# Altium PCB OECU_BASE.PcbDoc (part 6 of 6)
Units mil, origin at the board's own origin, x right, y up, seen from the top; angles counter-clockwise.
Board outline 3937.01 x 3937.01 mil, 6 copper layers (SIG1, GND1, SIG2, POWER, GND2, SIG3), stack 60.566 mil thick; 357 components, 364 nets, 1500 pads, 1127 vias.
Unrouted connection lines stored in the file: 1.
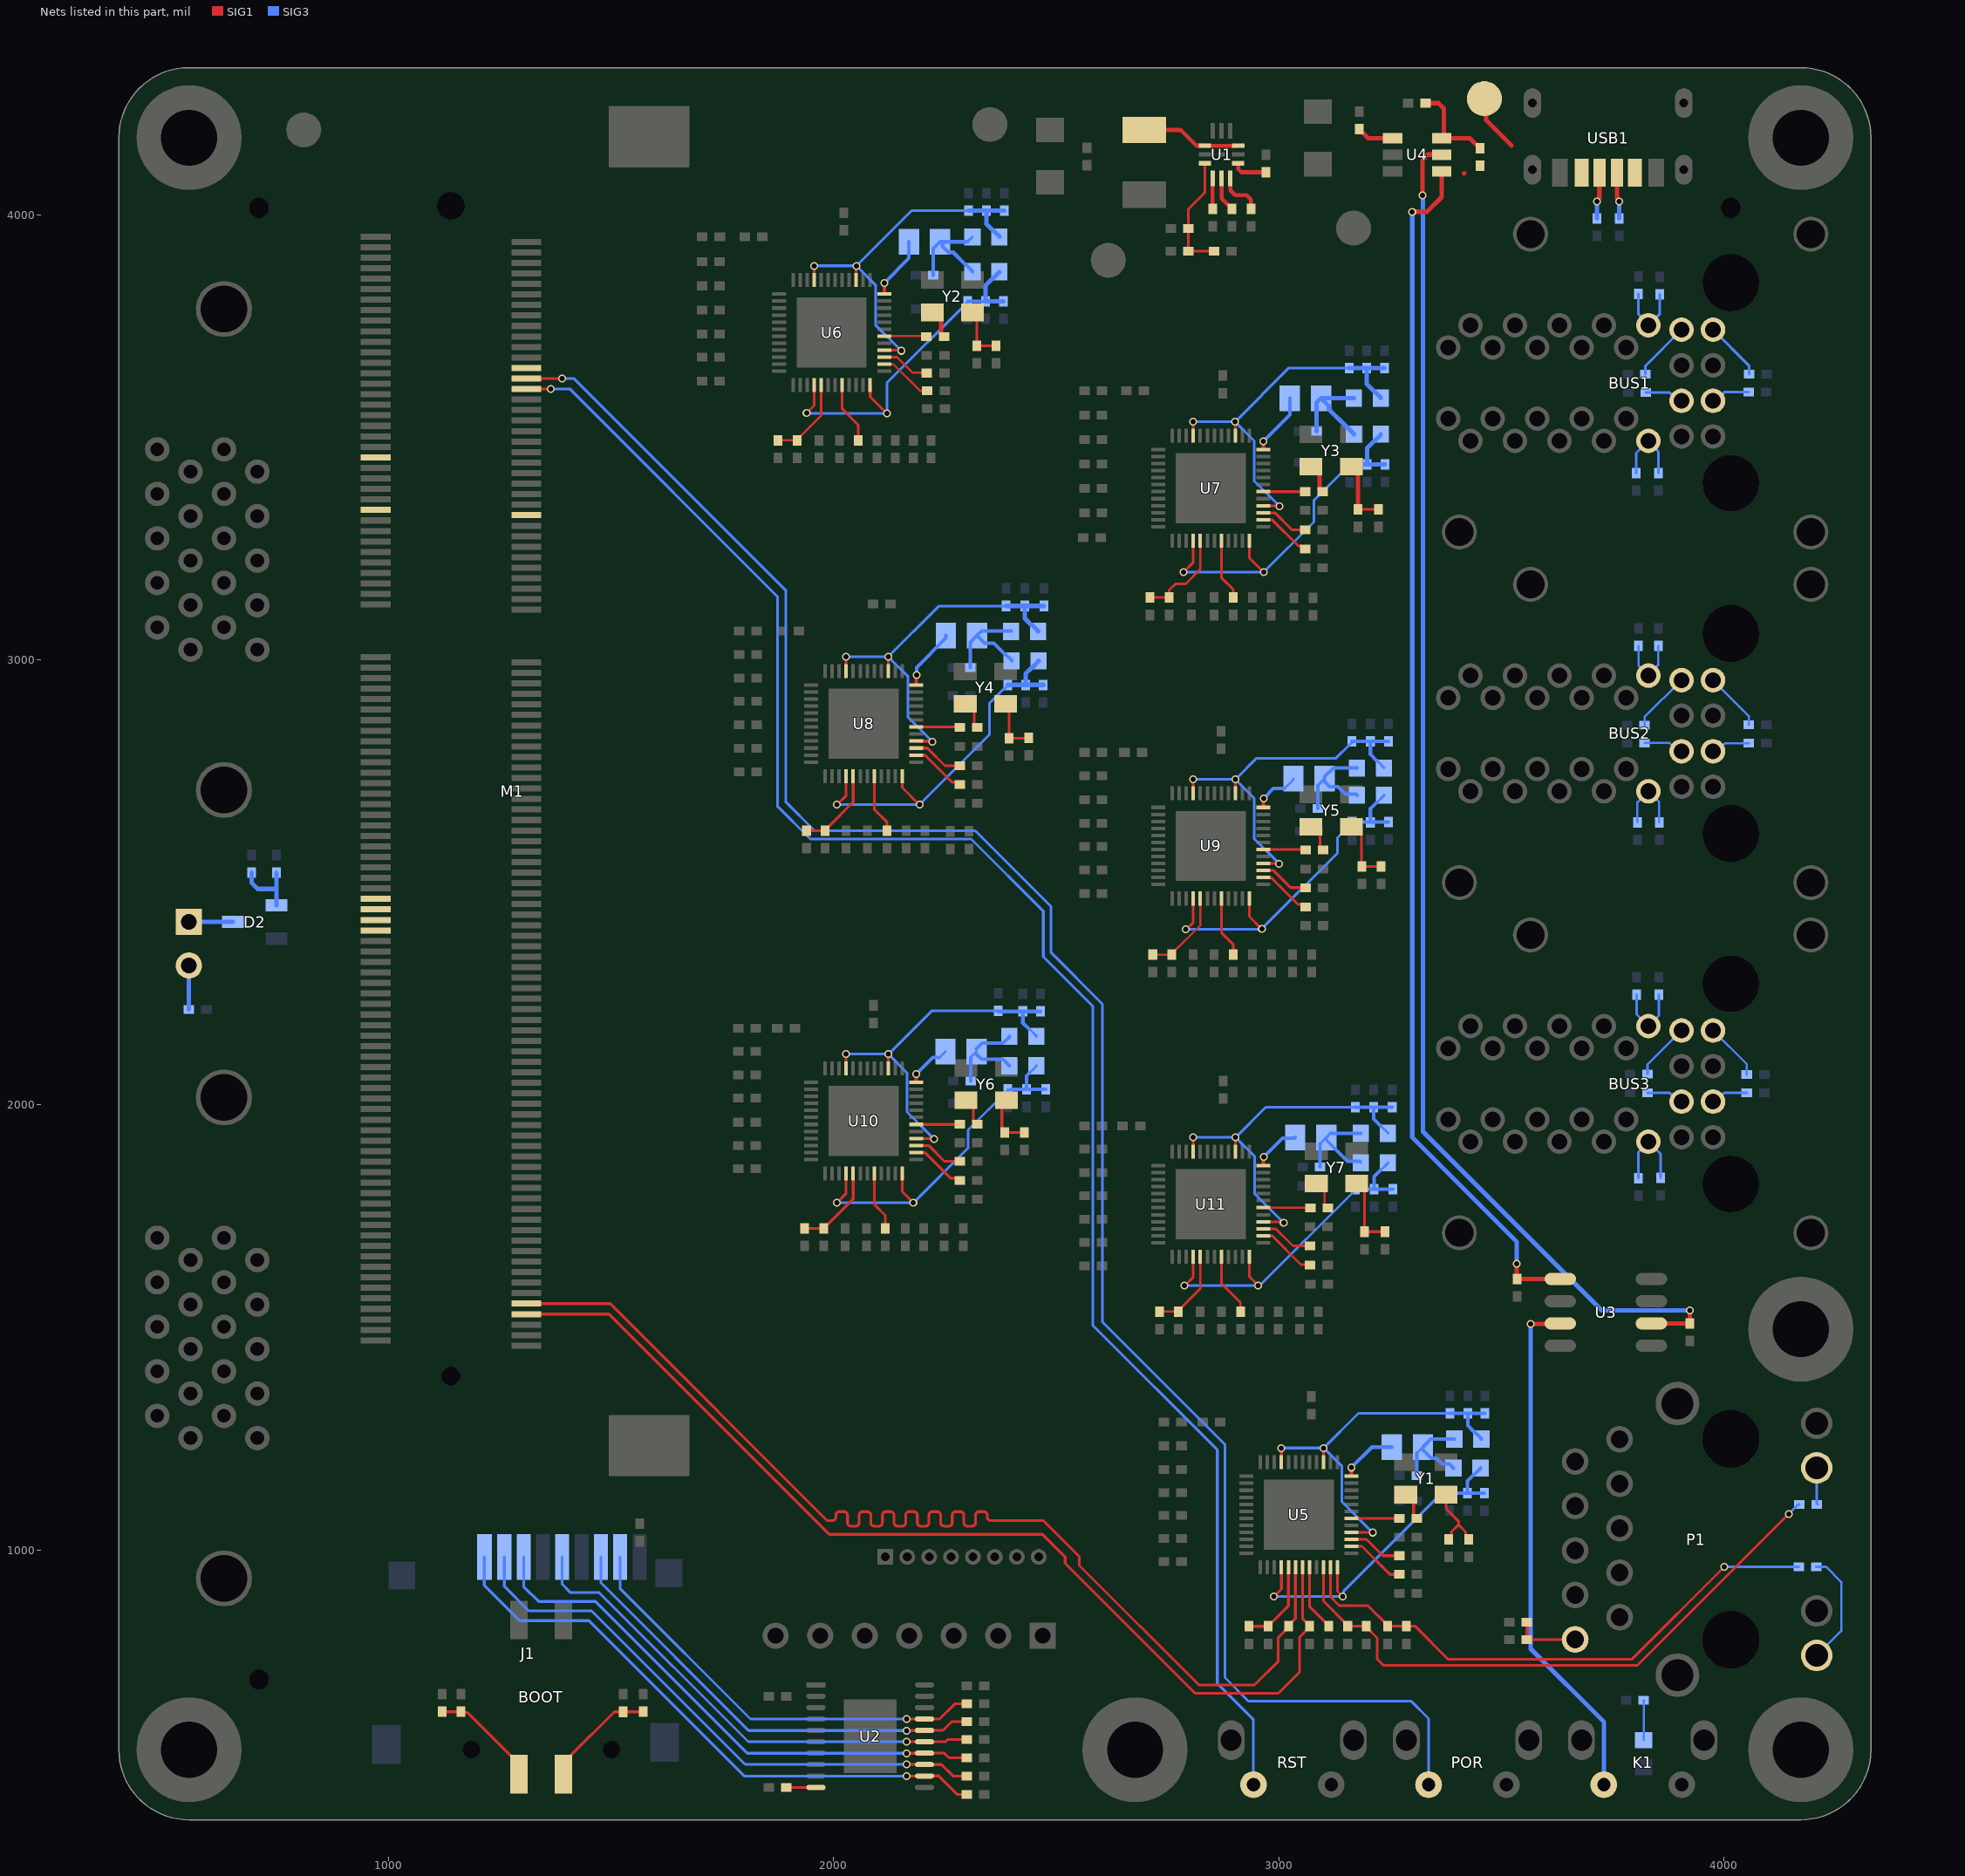
[diagram p10: the nets of this part, all layers, seen from the top]

## Via types
v1: diameter 17.72, hole 11.81, SIG1 to SIG3, tented both sides, 1064 vias
v2: diameter 23.62, hole 11.81, SIG1 to SIG3, tented both sides, 63 vias

## Nets (pads, with @x,y where several pads share a name; then routed paths per layer and width w, separated by ;. In a path a pad name is that pad's centre, name@x,y a point inside that pad or via, vN(x,y) a via of type N, cw(c..) or ccw(c..) an arc to the next point about the centre after c; other vN are vias at no path point) (continued)
MIO52: M1.196 R29.1 U5.30 | length 2641.2
  SIG1 w6.16: M1.196@1309.29,1553.46 1497.89,1553.46 1985.35,1066 1993.85,1066 1996.93,1066 ccw(c1996.93,1073.85) 2004.78,1073.85 2004.78,1078.15 cw(c2012.63,1078.15) 2012.63,1086 2023.09,1086 cw(c2023.09,1078.15) 2030.94,1078.15 2030.94,1061.33 ccw(c2038.79,1061.33) 2038.79,1053.48 2049.25,1053.48 ccw(c2049.25,1061.33) 2057.1,1061.33 2057.1,1078.15 cw(c2064.95,1078.15) 2064.95,1086 2075.41,1086 cw(c2075.41,1078.15) 2083.26,1078.15 2083.26,1061.33 ccw(c2091.11,1061.33) 2091.11,1053.48 2101.57,1053.48 ccw(c2101.57,1061.33) 2109.42,1061.33 2109.42,1078.15 cw(c2117.27,1078.15) 2117.27,1086 2127.73,1086 cw(c2127.73,1078.15) 2135.58,1078.15 2135.58,1061.33 ccw(c2143.43,1061.33) 2143.43,1053.48 2153.89,1053.48 ccw(c2153.89,1061.33) 2161.74,1061.33 2161.74,1078.15 cw(c2169.59,1078.15) 2169.59,1086 2180.05,1086 cw(c2180.05,1078.15) 2187.9,1078.15 2187.9,1061.33 ccw(c2195.75,1061.33) 2195.75,1053.48 2206.21,1053.48 ccw(c2206.21,1061.33) 2214.06,1061.33 2214.06,1078.15 cw(c2221.91,1078.15) 2221.91,1086 2232.37,1086 cw(c2232.37,1078.15) 2240.22,1078.15 2240.22,1061.33 ccw(c2248.07,1061.33) 2248.07,1053.48 2258.53,1053.48 ccw(c2258.53,1061.33) 2266.38,1061.33 2266.38,1078.15 cw(c2274.23,1078.15) 2274.23,1086 2284.69,1086 cw(c2284.69,1078.15) 2292.54,1078.15 2292.54,1061.33 ccw(c2300.39,1061.33) 2300.39,1053.48 2310.85,1053.48 ccw(c2310.85,1061.33) 2318.7,1061.33 2318.7,1078.15 cw(c2326.55,1078.15) 2326.55,1086 2337.01,1086 cw(c2337.01,1078.15) 2344.86,1078.15 2344.86,1073.85 ccw(c2352.71,1073.85) 2352.71,1066 2449.4,1066 2471,1066 2552,985 2552,965 2820.52,696.48 2945.48,696.48 2999,750 2999,803.4 3022,826.4 R29.1@3022,828.37 3022,830.34 3037.51,845.85 U5.30@3037.51,960.78
MIO53: M1.198 R30.1 U5.31 | length 2369
  SIG1 w6.16: M1.198@1309.29,1529.84 1495.38,1529.84 1990.22,1035 2469,1035 2520,984 2520,970 2812,678 2999,678 3046.62,725.62 3046.62,804.02 3069,826.4 R30.1@3069,828.37 3069,830.34 3053.26,846.08 U5.31@3053.26,960.78
NetBOOT_1: BOOT.1 R1.1 R4.1 | length 244.3
  SIG1 w6.16: R1.1@1120,636.32 R4.1@1162,636.32 1163.79,634.53 1177.47,634.53 BOOT.1@1275.71,536.29 ; BOOT.1@1275.75,536.29 1292.35,519.68 BOOT.1@1292.35,496.06
NetBOOT_2: BOOT.2 R2.1 R3.1 | length 252.6
  SIG1 w6.16: BOOT.2@1392.35,496.06 1408.96,512.67 1408.96,537.96 1507.32,636.32 R3.1@1572,636.32
NetBUS1_D1: BUS1.D1 C121.2 C122.2 | length 165.2
  SIG3 w6: C122.2@3803.32,3419.91 3803.32,3464.73 BUS1.D1@3830.71,3492.13 3830.71,3490.61 3853.32,3468 C121.2@3853.32,3419.91
NetBUS1_D11: BUS1.D11 R188.1 | length 133.1
  SIG3 w6: BUS1.D11@3975.98,3741.93 4056.63,3661.28 R188.1@4056.63,3642.22
NetBUS1_D13: BUS1.D13 R189.2 | length 88
  SIG3 w6: BUS1.D13@3975.98,3582.09 3982.45,3582.09 4002.58,3602.22 R189.2@4055.63,3602.22
NetBUS1_U1: BUS1.U1 C119.2 C120.2 | length 159
  SIG3 w6: C120.2@3808.31,3822.02 3808.31,3776.31 3830.71,3753.91 BUS1.U1@3830.71,3751.97 3856.31,3777.57 C119.2@3856.31,3821.02
NetBUS1_U11: BUS1.U11 R186.2 | length 133.3
  SIG3 w6: R186.2@3824,3642.22 3824,3660.81 BUS1.U11@3905.12,3741.93
NetBUS1_U13: BUS1.U13 R187.2 | length 88
  SIG3 w6: R187.2@3825,3601.22 3877.52,3601.22 3896.65,3582.09 BUS1.U13@3905.12,3582.09
NetBUS2_D1: BUS2.D1 C125.2 C126.2 | length 159.7
  SIG3 w5: C125.2@3806,2635 3806,2680.02 BUS2.D1@3830.71,2704.72 3855,2680.43 C126.2@3855,2635
NetBUS2_D11: BUS2.D11 R195.1 | length 133.8
  SIG3 w5: BUS2.D11@3975.98,2954.53 4056.32,2874.2 R195.1@4056.32,2854
NetBUS2_D13: BUS2.D13 R196.2 | length 87.9
  SIG3 w5: BUS2.D13@3975.98,2794.69 3984.79,2794.69 4003.11,2813 R196.2@4056.31,2813
NetBUS2_U1: BUS2.U1 C123.2 C124.2 | length 151.1
  SIG3 w5: C123.2@3808.31,3031.31 3808.31,2987.61 BUS2.U1@3830.71,2965.22 ; BUS2.U1@3830.71,2964.57 BUS2.U1@3830.71,2965.22 ; C124.2@3852.31,3031.31 3852.31,2988.4 3830.71,2966.79 BUS2.U1@3830.71,2965.22
NetBUS2_U11: BUS2.U11 R193.2 | length 135.7
  SIG3 w5: R193.2@3822,2853.22 3822,2871.41 BUS2.U11@3905.12,2954.53
NetBUS2_U13: BUS2.U13 R194.2 | length 90.8
  SIG3 w5: R194.2@3822,2813.22 3878.21,2813.22 3896.75,2794.69 BUS2.U13@3905.12,2794.69
NetBUS3_D1: BUS3.D1 C129.2 C130.2 | length 184.4
  SIG3 w6: C129.2@3808,1835 3808,1893.3 3830.71,1916.01 BUS3.D1@3830.71,1917.32 3858,1890.03 C130.2@3858,1836
NetBUS3_D11: BUS3.D11 R199.1 | length 130.2
  SIG3 w5: BUS3.D11@3975.98,2167.13 4051.63,2091.48 R199.1@4051.63,2068.22
NetBUS3_D13: BUS3.D13 R200.2 | length 83.9
  SIG3 w5: BUS3.D13@3975.98,2007.28 3981.55,2007.28 4001.49,2027.22 R200.2@4051.63,2027.22
NetBUS3_U1: BUS3.U1 C127.2 C128.2 | length 161.5
  SIG3 w6: C127.2@3804.31,2247.54 3804.31,2203.56 BUS3.U1@3830.71,2177.17 3854.31,2200.77 C128.2@3854.31,2247.54
NetBUS3_U11: BUS3.U11 R197.2 | length 129.8
  SIG3 w6: R197.2@3828.69,2069 3828.69,2090.69 BUS3.U11@3905.12,2167.13
NetBUS3_U13: BUS3.U13 R198.2 | length 84.6
  SIG3 w6: R198.2@3828.69,2027 3878.1,2027 3897.82,2007.28 BUS3.U13@3905.12,2007.28
NetC3_1: C3.1 U1.6 | length 103.6
  SIG1 w9: U1.6@2891.28,4082.35 2891.28,4054.72 2902,4044 2928,4044 2937.6,4034.4 C3.1@2937.6,4013.18
NetC4_1: C4.1 U1.4 | length 69.3
  SIG1 w9: C4.1@2851.6,4013.18 2851.6,4082.03 U1.4@2851.91,4082.35
NetC5_2: C5.2 R18.1 U4.6 | length 211.4
  SIG1 w10: C5.2@3329.69,4251 3359,4251 3371,4239 3371,4177.28 U4.6@3366.12,4172.4 3429.28,4172.4 3445.19,4156.5 3447.16,4156.5 3452,4151.65 R18.1@3452,4149.69
NetC6_1: C6.1 R20.1 R21.1 U1.3 | length 271.1
  SIG1 w6: U1.3@2834.21,4115.81 2834.21,4050.21 2796.68,4012.68 R21.1@2796.68,3969 2797,3968.68 R20.1@2797,3918 C6.1@2854.63,3918
NetC12_2: C12.2 FB1.1 Y1.4 | length 163.6
  SIG1 w6: Y1.4@3375.97,1124.13 3375.97,1092.69 3404,1064.66 3404,1056.57 ; FB1.1@3382,1023.68 3387.75,1029.43 3387.75,1040.32 3404,1056.57 ; C12.2@3427,1023.69 3420.16,1030.53 3420.16,1040.42 3404,1056.57
NetC25_2: C25.2 C26.2 P1.1 | length 181.7
  SIG1 w6: C25.2@3557.69,798 C26.2@3557.69,838 ; C26.2@3557.69,832 3557.69,798.62 P1.1@3666,798.62
NetC29_2: C29.2 FB4.1 Y2.4 | length 122.3
  SIG1 w6: Y2.4@2311.97,3780.63 2322,3770.6 C29.2@2322,3705.5 FB4.1@2365,3705.5
NetC44_2: C44.2 FB7.1 Y3.4 | length 148.6
  SIG1 w6: FB7.1@3178,3338 C44.2@3224,3338
  SIG1 w10: Y3.4@3162.97,3434.13 3163.31,3434.13 3178,3419.45 FB7.1@3178,3338
NetC59_2: C59.2 FB10.1 Y4.4 | length 125.1
  SIG1 w6: Y4.4@2386.15,2901.16 2394,2893.31 C59.2@2394,2823.69 2437,2823.69 FB10.1@2438,2824.68
NetC74_2: C74.2 FB13.1 Y5.4 | length 145.9
  SIG1 w6: Y5.4@3162.97,2625.13 3168.87,2625.13 3185.56,2608.45 3185.56,2537.13 FB13.1@3187,2535.68 C74.2@3230,2535.69
NetC89_2: C89.2 FB16.1 Y6.4 | length 122.7
  SIG1 w6: Y6.4@2387.97,2010.13 2378,2000.17 2378,1944 C89.2@2384,1938 FB16.1@2428,1938
NetC104_2: C104.2 FB19.1 Y7.4 | length 161.9
  SIG1 w6: Y7.4@3174.97,1823.13 3175.93,1823.13 3192.61,1806.45 C104.2@3192.61,1715.11 FB19.1@3238.61,1715.11
NetD1_K: D1.K R6.1 | length 89.8
  SIG3 w5: R6.1@3819.68,662 3820,661.69 D1.K@3820,572.31
NetD2_1: D2.1 R190.2 R192.1 | length 159.2
  SIG3 w6.16: R190.2@748,2522.31 R190.2@748.21,2522.1
  SIG3 w10: R192.1@692,2522.32 692,2499 705.75,2485.25 748.21,2485.25 ; D2.1@748.21,2448.4 748.21,2485.25 ; R190.2@748.21,2522.1 748.21,2485.25
NetD2_3: D2.3 FAN.1 | length 98.8
  SIG3 w6.16: D2.3@649.37,2411.42 D2.3@649.79,2411
  SIG3 w10: FAN.1@551.18,2411.42 D2.3@649.37,2411.42
NetFAN_2: FAN.2 R191.2 | length 99
  SIG3 w6.16: FAN.2@551.18,2312.99 FAN.2@551.31,2312.86
  SIG3 w10: R191.2@551.31,2214 FAN.2@551.31,2312.86
NetK1_2: K1.2 U3.3 | length 1154.8
  SIG1 w10: v1(3566,1508) 3615.64,1508 U3.3@3616.64,1509
  SIG3 w10: v1(3566,1508) 3566,778 3730.51,613.49 K1.2@3730.51,472.44
NetL1_2: L1.2 U1.1 U1.9 | length 225.8
  SIG1 w9: L1.2@2698,4190.83 2779.53,4190.83 2814.8,4155.56 2833.83,4155.56 U1.1@2834.21,4155.18 U1.9@2909,4155.18
NetL2_2: L2.2 U5.48 | length 129.7
  SIG1 w6: v1(3163,1185) v1@3163.5,1184.5
  SIG1 w8: U5.48@3163.5,1165.5 v1@3163.5,1184.5
  SIG3 w8: v1(3163,1185) 3209,1231 L2.2@3253.96,1231
NetL3_2: L3.2 U6.48 | length 140.5
  SIG1 w8: U6.48@2113.5,3822 v1(2113.5,3847)
  SIG3 w8: v1(2113.5,3847) 2169,3902.51 L3.2@2169,3939.5
NetL4_2: L4.2 U7.48 | length 140.1
  SIG1 w8: U7.48@2965.5,3472.5 v1(2965.5,3491.5)
  SIG3 w8: v1(2965.5,3491.5) 3024.96,3550.96 L4.2@3024.96,3588
NetL5_2: L5.2 U8.48 | length 139
  SIG1 w8: U8.48@2185.5,2943.5 2185.5,2965.5 v1(2186,2966)
  SIG3 w8: v1(2186,2966) 2186,2982.94 2251.96,3048.9 L5.2@2251.96,3055
NetL6_2: L6.2 U9.48 | length 107.2
  SIG1 w6: v1@2965.5,2688.5 v1(2966,2689)
  SIG1 w8: U9.48@2965.5,2668.5 v1@2965.5,2688.5
  SIG3 w6: L6.2@3013.13,2711 3032.96,2730.83 L6.2@3032.96,2733
  SIG3 w8: v1(2966,2689) 2988,2711 L6.2@3013.13,2711
NetL7_2: L7.2 U10.48 | length 105.3
  SIG1 w8: U10.48@2185.5,2050.61 v1(2185.5,2069.5)
  SIG3 w6: L7.2@2237.6,2106.64 L7.2@2250.96,2120
  SIG3 w8: v1(2185.5,2069.5) 2222.64,2106.64 L7.2@2237.6,2106.64
NetL8_2: L8.2 U11.48 | length 108.9
  SIG1 w8: U11.48@2965.5,1863.5 2965.5,1882.5 v1(2966,1883)
  SIG3 w8: v1(2966,1883) 3008.64,1925.64 3035.6,1925.64 L8.2@3036.96,1927
NetP1_11: P1.11 R43.2 | length 258.4
  SIG3 w5: R43.2@4207.69,962 4230,962 4264,928 4264,817.89 P1.11@4208.91,762.8
NetP1_13: P1.13 R44.2 | length 82.5
  SIG3 w5: P1.13@4208.91,1184.45 4208.91,1104.68 R44.2@4210.81,1102.78
NetR5_1: R5.1 U1.7 | length 78.4
  SIG1 w9: U1.7@2908.98,4115.81 2909.34,4115.46 2909.34,4102.66 2916.19,4095.81 R5.1@2971.6,4095.81
NetR14_2: R14.2 USB1.3 | length 104.9
  SIG1 w10: USB1.3@3759.84,4094.49 3759.84,4037.25 3765,4032.09 v1(3765,4030)
  SIG3 w10: R14.2@3765,3991.69 v1(3765,4030)
NetR15_2: R15.2 USB1.4 | length 105.1
  SIG1 w10: v1(3715,4030) 3715,4032.09 3720.47,4037.56 USB1.4@3720.47,4094.49
  SIG3 w10: R15.2@3715,3991.69 v1(3715,4030)
NetR16_1: R16.1 U1.5 | length 79.8
  SIG1 w9: U1.5@2871.6,4082.35 2871.6,4036.18 2887.29,4020.49 2889.26,4020.49 2894.6,4015.15 R16.1@2894.6,4013.18
NetR17_2: R17.2 U2.10 | length 66.6
  SIG1 w6.16: R17.2@1893.69,465.85 1894.37,466.53 U2.10@1960,466.53
NetR19_1: R19.1 U3.6 U4.5 | length 3130.4
  SIG1 w10: v1(3323,4044) 3323,4123 3335.32,4135.32 3365.8,4135.32 U4.5@3366.12,4135 ; U3.6@3821.36,1509 U3.6@3837.36,1509 3837.68,1508.68 R19.1@3924,1508.68 v1(3924,1538)
  SIG3 w10: v1(3323,4044) 3324,4043 3324,1940 3726,1538 v1(3924,1538)
NetR22_1: R22.1 U4.1 | length 84.3
  SIG1 w10: R22.1@3181,4192.31 3181,4190.35 3185.84,4185.5 3187.81,4185.5 3200.91,4172.4 U4.1@3255.88,4172.4
NetR32_1: R32.1 U5.42 | length 107.8
  SIG1 w6.16: U5.42@3163.5,1071.02 R32.1@3271.32,1071
NetR32_2: R32.2 Y1.3 | length 64.7
  SIG1 w6.16: Y1.3@3285.42,1124.13 3286.39,1124.13 3303,1107.53 3303,1077.76 3309.76,1071 R32.2@3310.69,1071
NetR33_1: R33.1 U5.38 | length 133.6
  SIG1 w6.16: U5.38@3163.5,1008.02 3186.98,1008.02 3250,945 R33.1@3271,945
NetR34_1: R34.1 U5.39 | length 122.7
  SIG1 w6.16: U5.39@3163.5,1023.77 3197.23,1023.77 3234,987 R34.1@3271,987
NetR65_1: R65.1 U6.42 | length 94.8
  SIG1 w5: U6.42@2113.5,3727.52 R65.1@2208.32,3727.52
NetR65_2: R65.2 Y2.3 | length 69
  SIG1 w10: Y2.3@2221.42,3780.63 2226.31,3780.63 2241,3765.95 2241,3731.34 2245.84,3726.5 R65.2@2247.69,3726.5
NetR69_1: R69.1 U6.38 | length 121.7
  SIG1 w5: U6.38@2113.5,3664.52 2133.98,3664.52 2193.93,3604.57 2210.25,3604.57 R69.1@2210.32,3604.5
NetR70_1: R70.1 U6.39 | length 110.6
  SIG1 w5: U6.39@2113.5,3680.27 2142.23,3680.27 2176.93,3645.57 2192.93,3645.57 2208.25,3645.57 R70.1@2209.32,3644.5
NetR88_1: R88.1 U7.42 | length 93.8
  SIG1 w6: U7.42@2965.5,3378.02 R88.1@3059.32,3378
NetR88_2: R88.2 Y3.3 | length 71
  SIG1 w10: Y3.3@3072.42,3434.13 3077.31,3434.13 3092,3419.45 3092,3382.84 3096.84,3378 R88.2@3098.69,3378
NetR92_1: R92.1 U7.38 | length 121.2
  SIG1 w6: U7.38@2965.5,3315.02 2965.96,3314.56 2985.44,3314.56 3044.16,3255.84 3052.47,3255.84 R92.1@3059.32,3249
NetR93_1: R93.1 U7.39 | length 109.9
  SIG1 w6: U7.39@2965.5,3330.77 2991.23,3330.77 3030,3292 R93.1@3059.32,3292
NetR111_1: R111.1 U8.42 | length 98.2
  SIG1 w6: U8.42@2185.5,2849.02 2282.3,2849.02 R111.1@2283.32,2848
NetR111_2: R111.2 Y4.3 | length 66.6
  SIG1 w6: Y4.3@2295.6,2901.16 2299.31,2901.16 2316,2884.47 2316,2854.69 R111.2@2322.69,2848
NetR115_1: R115.1 U8.38 | length 125.2
  SIG1 w6: U8.38@2185.5,2786.02 2185.96,2785.56 2205.44,2785.56 2266.02,2724.98 2278.33,2724.98 R115.1@2283.32,2720
NetR116_1: R116.1 U8.39 | length 114.3
  SIG1 w6: U8.39@2185.5,2801.77 2210.23,2801.77 2250,2762 R116.1@2283.32,2762
NetR134_1: R134.1 U9.42 | length 95.2
  SIG1 w6.16: U9.42@2965.5,2574.02 3059.3,2574.02 R134.1@3060.32,2573
NetR134_2: R134.2 Y5.3 | length 65.8
  SIG1 w6.16: Y5.3@3072.42,2625.13 3076.39,2625.13 3093,2608.53 3093,2579.69 R134.2@3099.69,2573
NetR138_1: R138.1 U9.38 | length 122.2
  SIG1 w6.16: U9.38@2965.5,2511.02 2966.35,2510.17 2983.83,2510.17 3043.46,2450.54 3054.77,2450.54 R138.1@3060.32,2445
NetR139_1: R139.1 U9.39 | length 110.9
  SIG1 w6.16: U9.39@2965.5,2526.77 2988.23,2526.77 3026.87,2488.13 3060.19,2488.13 R139.1@3060.32,2488
NetR157_1: R157.1 U10.42 | length 98.2
  SIG1 w6.16: U10.42@2185.5,1956.13 2282.44,1956.13 R157.1@2283.32,1957
NetR157_2: R157.2 Y6.3 | length 64.7
  SIG1 w6: Y6.3@2297.42,2010.13 2314,1993.55 2314,1963.84 2320.84,1957 R157.2@2322.69,1957
NetR161_1: R161.1 U10.38 | length 124
  SIG1 w6: U10.38@2185.5,1893.13 2186.02,1892.61 2205.39,1892.61 2262.47,1835.53 2277.78,1835.53 R161.1@2283.32,1830
NetR162_1: R162.1 U10.39 | length 112.7
  SIG1 w6.16: U10.39@2185.5,1908.88 2213.12,1908.88 2249,1873 R162.1@2283.32,1873
NetR180_1: R180.1 U11.42 | length 105.8
  SIG1 w5.61: U11.42@2965.5,1769.02 3070.02,1769.02 R180.1@3070.93,1768.11
NetR180_2: R180.2 Y7.3 | length 66.9
  SIG1 w5.61: Y7.3@3084.42,1823.13 3086.12,1823.13 3103,1806.25 3103,1775.15 3110.04,1768.11 R180.2@3110.3,1768.11
NetR184_1: R184.1 U11.38 | length 132.4
  SIG1 w5.61: U11.38@2965.5,1706.02 2965.94,1705.58 2985.42,1705.58 3049.67,1641.33 3069.4,1641.33 R184.1@3070.61,1640.11
NetR185_1: R185.1 U11.39 | length 121.1
  SIG1 w5.61: U11.39@2965.5,1721.77 2993.23,1721.77 3031.89,1683.11 R185.1@3070.61,1683.11
P1_RXDLY: R61.1 U6.32 | length 139
  SIG1 w6.16: U6.32@2019.01,3617.28 2019.01,3563.99 2055,3528 R61.1@2055,3493.18
P2_RXDLY: R84.1 U7.32 | length 139
  SIG1 w6: U7.32@2871.01,3267.78 2871.01,3184.99 2898,3158 R84.1@2898,3140
P3_RXDLY: R107.1 U8.32 | length 134.8
  SIG1 w6.16: U8.32@2091.01,2738.78 2091.01,2663.99 2120,2635 R107.1@2120,2616
P4_RXDLY: R130.1 U9.32 | length 137.3
  SIG1 w6.16: U9.32@2871.01,2463.78 2871.01,2386.99 2898,2360 R130.1@2898,2337.68
P5_RXDLY: R153.1 U10.32 | length 133.6
  SIG1 w6: U10.32@2091.01,1845.89 2091.01,1776.99 2116,1752 R153.1@2116,1722.68
P6_RXDLY: R176.1 U11.32 | length 140.9
  SIG1 w5.61: U11.32@2871.01,1658.78 2871.01,1598.99 2914,1556 R176.1@2914,1535.68
PHY1_1V05: C42.2 FB5.1 FB6.1 L3.1 | length 259.9
  SIG3 w6: FB6.1@2300.72,3939.5 FB6.1@2311.68,3950.46
  SIG3 w8: C42.2@2223.72,3864.5 2223.72,3924.15 L3.1@2239.08,3939.5 L3.1@2244.65,3939.5 ; FB6.1@2300.72,3939.5 L3.1@2244.65,3939.5 ; FB5.1@2311.68,3872.46 2311.68,3873.44 2297.38,3887.75 2296.39,3887.75 2268.23,3915.91 2257.91,3915.91 2244.65,3929.18 L3.1@2244.65,3939.5
PHY1_1V05A: C34.2 C38.2 C41.2 FB6.2 U6.3 U6.9 U6.40 | length 886.1
  SIG1 w6: U6.9@1956.02,3853.5 v1(1956,3885.5) ; U6.3@2050.5,3853.5 2050.5,3885 v1(2051,3885.5) ; U6.40@2113.5,3696.02 2150.48,3696.02 v1(2152,3694.5)
  SIG3 w6: v1(1956,3885.5) v1(2051,3885.5) ; v1(2152,3694.5) 2094,3752.5 2094,3842.5 v1(2051,3885.5) ; C34.2@2303.28,4009.23 2174.73,4009.23 v1(2051,3885.5)
  SIG3 w10: C34.2@2303.28,4009.23 C38.2@2343.28,4009.23 ; FB6.2@2372.32,3950.46 2372.32,3951.44 2359.01,3964.75 2358.02,3964.75 2343.28,3979.5 C38.2@2343.28,4009.23 ; C41.2@2383.28,4009.23 C38.2@2343.28,4009.23
PHY1_1V05D: C33.2 C37.2 C40.2 FB5.2 U6.28 U6.36 | length 815.8
  SIG1 w6: v1(1939,3554.5) 1956.02,3571.52 U6.28@1956.02,3617.28 ; U6.36@2082,3617.28 2082,3591 2119,3554 v1(2119.5,3554)
  SIG3 w6: v1(1939,3554.5) 1939.5,3554 v1(2119.5,3554) 2119.5,3622.26 2301.28,3804.04 C33.2@2301.28,3806
  SIG3 w8: C33.2@2301.28,3806 C37.2@2341.28,3806
  SIG3 w10: FB5.2@2372.32,3871.48 2359.01,3858.17 2358.02,3858.17 2341.28,3841.42 C37.2@2341.28,3806 C40.2@2381.28,3806
PHY2_1V05: C58.2 FB8.1 FB9.1 L4.1 | length 264
  SIG3 w10: C58.2@3084.69,3514 3084.69,3577.65 L4.1@3095.04,3588 ; FB8.1@3168.68,3507 3168.68,3507.98 3155.38,3521.29 3154.39,3521.29 3112.87,3562.81 3112.87,3570.17 L4.1@3095.04,3588 ; FB9.1@3168.68,3588 L4.1@3095.04,3588
PHY2_1V05A: C49.2 C53.2 C56.2 FB9.2 U7.3 U7.9 U7.40 | length 892.4
  SIG1 w6: U7.9@2808.02,3504 v1(2808,3535) ; v1(2902,3535) 2902.5,3534.5 U7.3@2902.5,3504 ; U7.40@2965.5,3346.52 3000.48,3346.52 v1(3002,3345)
  SIG3 w6: v1(2808,3535) v1(2902,3535) ; v1(3002,3345) 2945,3402 2945,3492 v1(2902,3535) ; C49.2@3158,3656 3023,3656 v1(2902,3535)
  SIG3 w10: C49.2@3158,3656 C53.2@3198,3656 ; FB9.2@3229.32,3588 3229.32,3588.98 3216.01,3602.29 3215.02,3602.29 3198,3619.32 C53.2@3198,3656 ; C56.2@3238,3656 C53.2@3198,3656
PHY2_1V05D: C48.2 C52.2 C55.2 FB8.2 U7.28 U7.36 | length 829.1
  SIG1 w6: v1(2786,3197) 2808,3219 U7.28@2808,3269 ; U7.36@2934,3267.78 2934,3229 v1(2966,3197)
  SIG3 w6: v1(2786,3197) v1(2966,3197) 3079,3310 3079,3358.53 3150.48,3430.02 3152.45,3430.02 3159.29,3436.86 C55.2@3159.29,3438.83
  SIG3 w10: C55.2@3159.29,3438.83 3159.47,3439 C52.2@3199,3439 ; FB8.2@3229.32,3507 3229.32,3506.02 3216.01,3492.71 3215.02,3492.71 3199,3476.68 C52.2@3199,3439 ; C48.2@3239,3439 C52.2@3199,3439
PHY3_1V05: C73.2 FB11.1 FB12.1 L5.1 | length 261
  SIG3 w8: C73.2@2306.69,2983 2306.69,3039.65 L5.1@2322.04,3055 ; FB12.1@2398.68,3065 2332.04,3065 L5.1@2322.04,3055 ; FB11.1@2399.68,2998 2399.68,2998.98 2385.38,3013.29 2384.39,3013.29 2360.19,3037.5 2339.54,3037.5 L5.1@2322.04,3055
PHY3_1V05A: C65.2 C68.2 C71.2 FB12.2 U8.3 U8.9 U8.40 | length 895.2
  SIG1 w6: U8.9@2028.02,2975 v1(2028,3007) ; U8.3@2122.5,2975 v1(2122.49,3007) ; U8.40@2185.5,2817.52 2220.48,2817.52 v1(2222,2816)
  SIG3 w6: v1(2028,3007) v1(2122.49,3007) ; v1(2222,2816) 2167,2871 2167,2962.49 v1(2122.49,3007) ; C65.2@2387.16,3120.31 2235.8,3120.31 v1(2122.49,3007)
  SIG3 w10: C65.2@2387.16,3121.19 C68.2@2429.16,3121.19 ; FB12.2@2459.32,3064.07 2459.32,3064.98 2446.01,3078.29 2444.11,3078.29 2429.16,3093.24 C68.2@2429.16,3121.19 ; C71.2@2472.16,3121.19 C68.2@2429.16,3121.19
PHY3_1V05D: C64.2 C67.2 C70.2 FB11.2 U8.28 U8.36 | length 838.5
  SIG1 w6: v1(2007,2675) 2008,2675 2028.02,2695.02 U8.28@2028.02,2738.78 ; U8.36@2154,2738.78 2154,2713 2192,2675 v1(2193,2675)
  SIG3 w6: v1(2007,2675) v1(2193,2675) 2350,2832 2350,2902.81 2382.19,2935 2384.16,2935 2391,2941.84 C70.2@2391,2943.81
  SIG3 w10: C70.2@2391,2943.81 C67.2@2431,2943.81 ; FB11.2@2460.32,2998 2460.32,2997.02 2447.01,2983.71 2446.02,2983.71 2431,2968.68 C67.2@2431,2943.81 ; C64.2@2471,2943.81 C67.2@2431,2943.81
PHY4_1V05: C87.2 FB14.1 FB15.1 L6.1 | length 249.9
  SIG3 w6: L6.1@3087.69,2717.65 L6.1@3103.04,2733 ; L6.1@3103.04,2726.9 L6.1@3103.04,2733 ; L6.1@3103.04,2737.17 L6.1@3103.04,2733
  SIG3 w8: C87.2@3087.69,2666 L6.1@3087.69,2717.65 ; L6.1@3103.04,2726.9 3114.67,2715.26 3133.19,2715.26 3150.06,2698.39 3173.3,2698.39 FB14.1@3175.68,2696 ; L6.1@3103.04,2737.17 3122.87,2757 FB15.1@3175.68,2757
PHY4_1V05A: C79.2 C82.2 C85.2 FB15.2 U9.3 U9.9 U9.40 | length 878.4
  SIG1 w6: U9.9@2808.02,2700 v1(2808,2732) ; U9.3@2902.5,2700 v1(2902.5,2731.5) ; U9.40@2965.5,2542.52 3000.48,2542.52 v1(3001,2542)
  SIG3 w6: v1(2808,2732) 2808.5,2731.5 v1(2902.5,2731.5) ; v1(3001,2542) 2945,2598 2945,2689.01 v1(2902.5,2731.5) ; C79.2@3164.35,2816.67 3164.35,2814.7 3157.5,2807.85 3128.65,2779 2950,2779 v1(2902.5,2731.5) ; C82.2@3206,2816.67 C82.2@3206,2817 ; FB15.2@3220.02,2773.29 3221.01,2773.29 3236.32,2757.98 FB15.2@3236.32,2757 ; C85.2@3246.67,2816.67 C85.2@3247,2817
  SIG3 w8: C79.2@3164.35,2816.67 C82.2@3206,2816.67 ; FB15.2@3220.02,2773.29 3206,2787.32 C82.2@3206,2816.67 ; C85.2@3246.67,2816.67 C82.2@3206,2816.67
PHY4_1V05D: C78.2 C81.2 C84.2 FB14.2 U9.28 U9.36 | length 808.7